# KiCad board PSEC5_Ctrl_Board.kicad_pcb (continued)
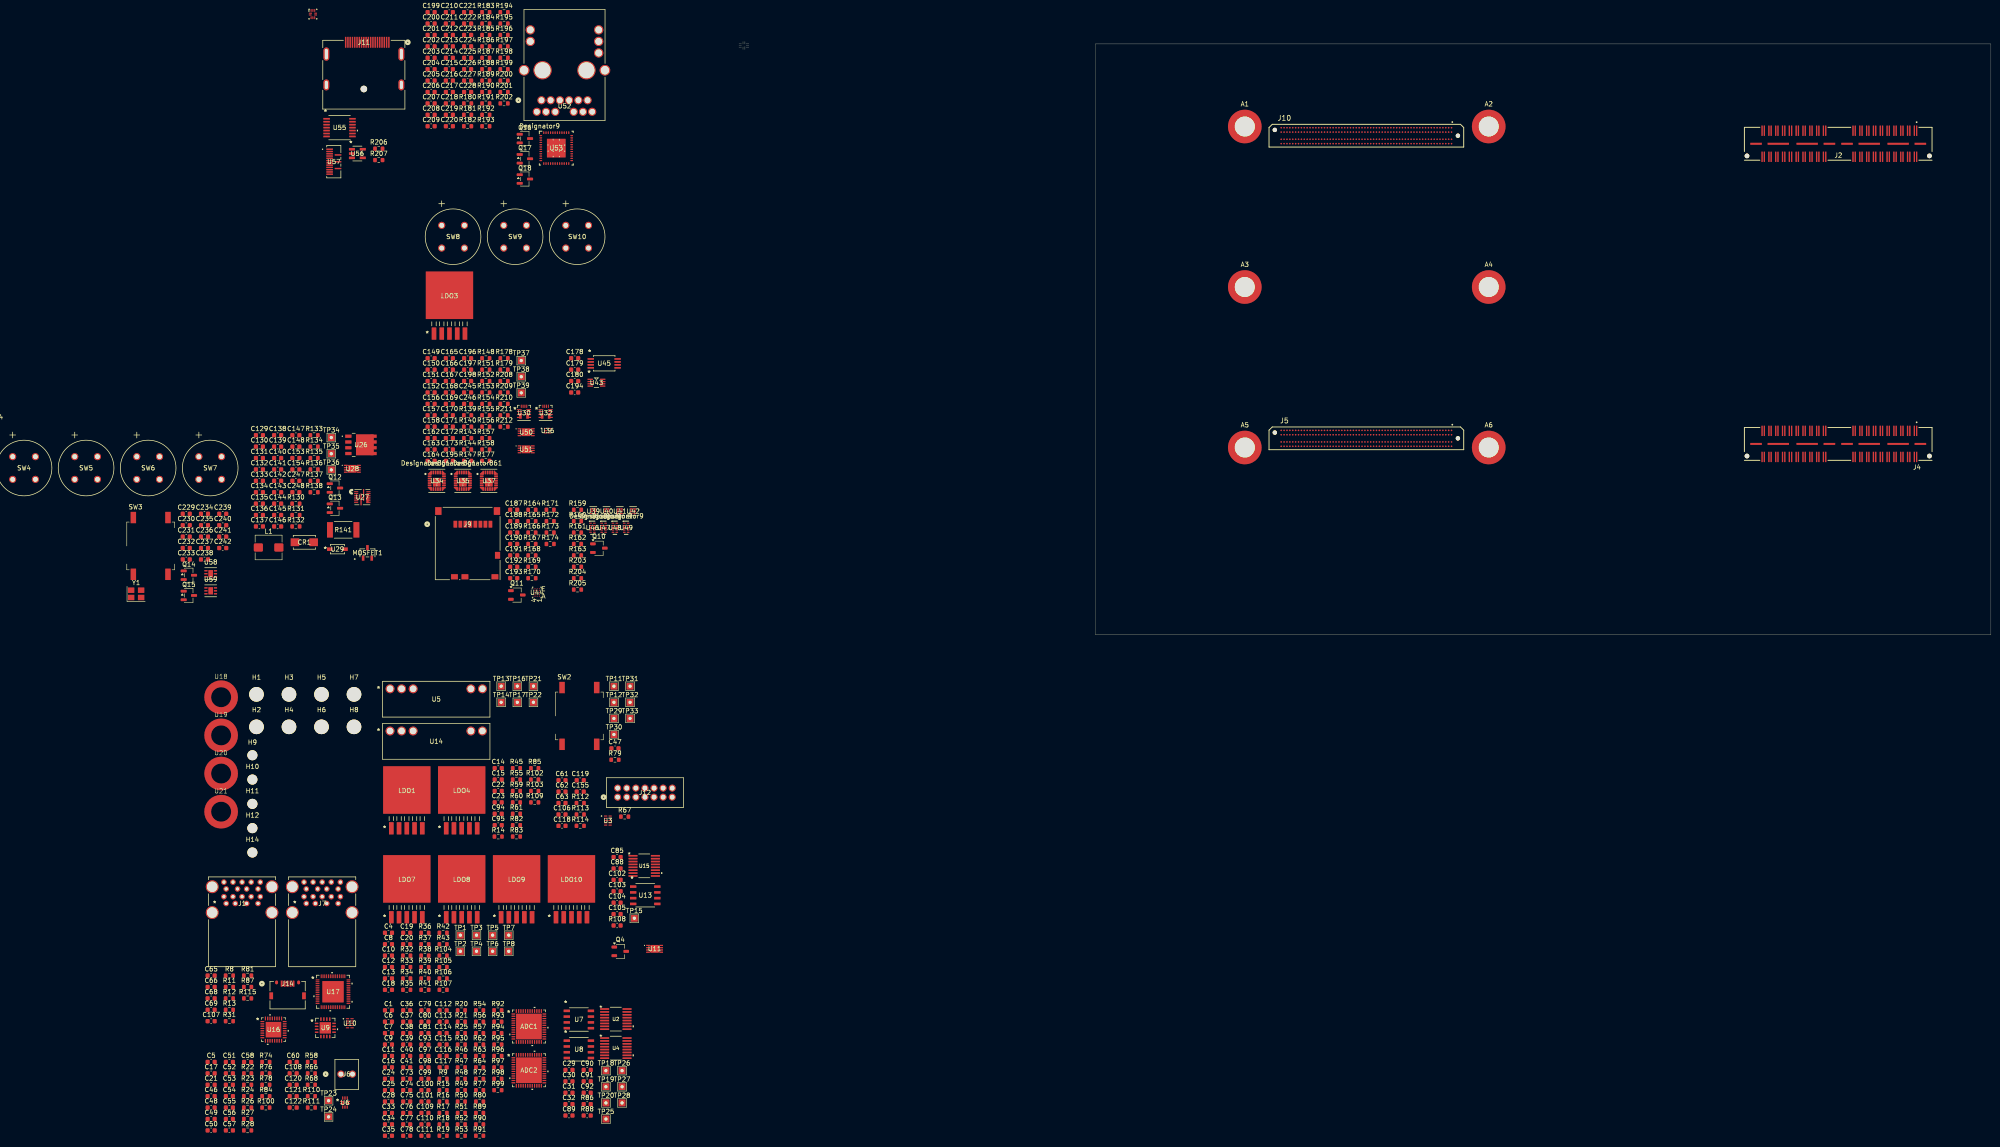
[diagram p0: board, top side]
## Footprints (pads in the part's own frame, mm; a bottom-side part is the same pattern mirrored in y, then rotated) (continued)
SOD-123_ONS
  rect 1.219x0.762 smd: 1(-1.676,0) 2(1.676,0)
SOIC8_NARROW_SN_MCH
  rect 1.397x0.559 smd: 1(-2.654,1.905) 2(-2.654,0.635) 3(-2.654,-0.635) 4(-2.654,-1.905) 5(2.654,-1.905) 6(2.654,-0.635) 7(2.654,0.635) 8(2.654,1.905)
SOT23-5L_STM
  rect 1.321x0.559 smd: 1(-1.194,0.95) 2(-1.194,0) 3(-1.194,-0.95) 4(1.194,-0.95) 5(1.194,0.95)
SOT23_527AG_ONS
  rect 0.559x1.143 smd: 1(-0.95,-1.143) 2(0.95,-1.143) 3(0,1.143)
SOT-23-3
  rrect 1.325x0.6 smd: 1(-1.137,0.95) 2(-1.137,-0.95) 3(1.137,0)
SSOP-16_GN
  rect 1.981x0.356 smd: 1(-2.464,2.223) 2(-2.464,1.587) 3(-2.464,0.953) 4(-2.464,0.318) 5(-2.464,-0.318) 6(-2.464,-0.953) 7(-2.464,-1.587) 8(-2.464,-2.223) 9(2.464,-2.223) 10(2.464,-1.587) 11(2.464,-0.953) 12(2.464,-0.318) 13(2.464,0.318) 14(2.464,0.953) 15(2.464,1.587) 16(2.464,2.223)
SW_MEC_5GSH9
  rect 1.2x2.5 smd: 1(-3.81,6.25) 2(-3.81,-6.25) 3(3.81,6.25) 4(3.81,-6.25)
TestPoint_THTPad_1.5x1.5mm_Drill0.7mm
  rect 1.5x1.5 hole 0.7: 1(0,0)
TS5B
  rect 1.016x2.692 smd: 1(-3.404,-8.28) 2(-1.702,-8.28) 3(0,-8.28) 4(1.702,-8.28) 5(3.404,-8.28)
  rect 10.414x10.465 smd: 6(0,0.152)
TSOT-23
  rrect 1.22x0.65 smd: 1(-1.31,0.95) 2(-1.31,-0.95) 3(1.31,0)
TSSOP8_4P5X3P1X0P65_STM
  rect 1.41x0.356 smd: 1(-2.953,0.975) 2(-2.953,0.325) 3(-2.953,-0.325) 4(-2.953,-0.975) 5(2.953,-0.975) 6(2.953,-0.325) 7(2.953,0.325) 8(2.953,0.975)
TSSOP14_4P4X5_ONS
  rect 1.422x0.356 smd: 1(-2.845,1.95) 2(-2.845,1.3) 3(-2.845,0.65) 4(-2.845,0) 5(-2.845,-0.65) 6(-2.845,-1.3) 7(-2.845,-1.95) 8(2.845,-1.95) 9(2.845,-1.3) 10(2.845,-0.65) 11(2.845,0) 12(2.845,0.65) 13(2.845,1.3) 14(2.845,1.95)
U_PUSB3FR4Z_NEX
  rect 0.711x0.203 smd: 1(-0.495,1) 2(-0.495,0.5) 3(-0.495,0) 4(-0.495,-0.5) 5(-0.495,-1) 6(0.495,-1) 7(0.495,-0.5) 8(0.495,0) 9(0.495,0.5) 10(0.495,1)
VQFN56_2G_MCH
  rect 0.813x0.203 smd: 1(-3.404,2.6) 2(-3.404,2.2) 3(-3.404,1.8) 4(-3.404,1.4) 5(-3.404,1) 6(-3.404,0.6) 7(-3.404,0.2) 8(-3.404,-0.2) 9(-3.404,-0.6) 10(-3.404,-1) 11(-3.404,-1.4) 12(-3.404,-1.8) 13(-3.404,-2.2) 14(-3.404,-2.6) 29(3.404,-2.6) 30(3.404,-2.2) 31(3.404,-1.8) 32(3.404,-1.4) 33(3.404,-1) 34(3.404,-0.6) 35(3.404,-0.2) 36(3.404,0.2) 37(3.404,0.6) 38(3.404,1) 39(3.404,1.4) 40(3.404,1.8) 41(3.404,2.2) 42(3.404,2.6)
  rect 0.203x0.813 smd: 15(-2.6,-3.404) 16(-2.2,-3.404) 17(-1.8,-3.404) 18(-1.4,-3.404) 19(-1,-3.404) 20(-0.6,-3.404) 21(-0.2,-3.404) 22(0.2,-3.404) 23(0.6,-3.404) 24(1,-3.404) 25(1.4,-3.404) 26(1.8,-3.404) 27(2.2,-3.404) 28(2.6,-3.404) 43(2.6,3.404) 44(2.2,3.404) 45(1.8,3.404) 46(1.4,3.404) 47(1,3.404) 48(0.6,3.404) 49(0.2,3.404) 50(-0.2,3.404) 51(-0.6,3.404) 52(-1,3.404) 53(-1.4,3.404) 54(-1.8,3.404) 55(-2.2,3.404) 56(-2.6,3.404)
  rect 4.699x4.699 smd: 57(0,0)
ZX62D-B-5P830_HIR
  rect 0.406x1.346 smd: 1(-1.3,2.525) 2(-0.65,2.525) 3(0,2.525) 4(0.65,2.525) 5(1.3,2.525)
  oval 0.65x0.85 smd: 6(-2.425,2.799) 7(2.425,2.799)
  rect 0.813x1.499 smd: 8(-3.6,-0.15) 9(3.6,-0.15)

## Nets
1V2_DUT: C19.1 J4.77 J4.78 J4.79 J4.80 LDO9.4 R42.1 TP8.1
1V8_Banks: J5.A44 J5.B42 J5.C44 J5.D42 J5.D59 J5.D60
1V8_DUT: C20.1 J4.65 J4.66 J4.67 J4.68 LDO10.4 R39.1 TP6.1
1V8_PERI: ADC1.1 ADC1.2 ADC1.5 ADC1.6 ADC1.9 ADC1.10 ADC1.12 ADC1.25 ADC1.27 ADC1.32 ADC1.35 ADC1.36 ADC1.39 ADC1.45 ADC1.46 ADC2.1 ADC2.2 ADC2.5 ADC2.6 ADC2.9 ADC2.10 ADC2.12 ADC2.25 ADC2.27 ADC2.32 ADC2.35 ADC2.36 ADC2.39 ADC2.45 ADC2.46 C22.1 C24.1 C41.1 C99.1 C100.1 C101.1 C109.1 C110.1 C111.1 C112.1 C113.1 C114.1 C115.1 LDO1.4 R60.1 TP14.1
2V5_DUT: C18.1 J4.61 J4.62 J4.63 J4.64 LDO8.4 R37.1 TP4.1
2V5_IO: J5.B59 J5.B60
2V5_PERI: C23.1 C91.1 C92.1 C105.1 LDO3.4 R45.1 TP16.1 U2.16 U4.16 U15.16
3V3_DUT: C4.1 J4.73 J4.74 J4.75 J4.76 LDO7.4 R34.1 TP2.1
3V3_PERI: C29.1 C31.1 C95.1 C102.1 LDO4.4 R102.1 TP21.1 U7.1 U7.3 U8.1 U8.3 U13.1 U13.3
5V0_IN: C138.2 C139.2 C140.2 C141.2 C142.2 C143.1 C149.2 C152.2 C156.2 C162.2 C165.2 C171.2 C198.2 L1.2 R133.1 R141.1 R156.1 R163.1 R178.1 R211.1 R212.1 TP34.1 U11.8 U16.21 U28.5 U28.8 U30.7 U32.7 U34.3 U34.21 U34.22 U35.3 U35.21 U35.22 U36.5 U37.3 U37.21 U37.22
5V0_SOM: C153.2 C154.2 C247.2 C248.2 J10.A59 J10.A60 J10.B60 J10.C59 J10.C60 J10.D60 R141.2 TP36.1
12V_IN: C129.1 C131.1 C132.1 C133.1 C148.1 R110.2 TP24.1 U5.4 U14.4 U26.5 U26.6 U26.7 U26.8 U27.8 U29.1
GND: A1.1 A2.1 A3.1 A4.1 A5.1 A6.1 ADC1.11 ADC1.26 ADC1.30 ADC1.31 ADC1.41 ADC1.49 ADC2.11 ADC2.26 ADC2.30 ADC2.31 ADC2.41 ADC2.49 C1.2 C4.2 C5.2 C6.2 C7.2 C9.2 C11.2 C16.2 C17.2 C18.2 C19.2 C20.2 C21.2 C22.2 C23.2 C24.2 C25.2 C28.2 C29.2 C30.2 C31.2 C32.2 C33.2 C34.2 C37.2 C38.2 C41.2 C46.2 C47.2 C48.2 C51.1 C52.1 C53.1 C54.1 C57.2 C58.2 C60.2 C61.2 C62.2 C63.2 C65.2 C66.2 C68.2 C69.2 C73.2 C74.2 C75.2 C76.2 C77.2 C78.2 C79.2 C80.2 C81.2 C85.2 C88.2 C89.2 C90.2 C91.2 C92.2 C93.2 C95.2 C97.2 C98.2 C99.2 C100.2 C101.2 C102.2 C103.2 C104.2 C105.2 C106.2 C107.2 C108.2 C109.2 C110.2 C111.2 C112.2 C113.2 C114.2 C115.2 C116.2 C117.2 C118.2 C119.2 C120.2 C121.2 C122.2 C129.2 C130.2 C131.2 C132.2 C133.2 C134.2 C136.2 C139.1 C140.1 C141.1 C142.1 C143.2 C145.2 C146.2 C147.2 C149.1 C150.1 C151.1 C152.1 C153.1 C154.1 C155.2 C156.1 C157.1 C158.1 C162.1 C163.1 C164.1 C165.1 C166.1 C167.1 C168.1 C170.1 C171.1 C172.1 C173.1 C178.2 C179.2 C180.2 C187.2 C188.2 C189.2 C192.2 C193.2 C194.2 C195.1 C197.1 C198.1 C199.2 C200.2 C201.2 C202.2 C203.2 C204.2 C205.2 C206.2 C207.2 C208.2 C209.2 C210.2 C211.2 C212.2 C213.2 C214.2 C215.2 C216.2 C217.2 C218.2 C219.2 C220.2 C221.2 C222.2 C224.1 C225.1 C226.1 C227.1 C228.1 C229.2 C230.2 C231.2 C232.2 C233.2 C234.2 C235.2 C236.2 C237.2 C238.2 C239.2 C240.2 C241.2 C242.2 C246.1 C247.1 C248.1 CR1.2 J1.4 J1.7 J1.13 J1.16 J2.G1 J2.G2 J2.G3 J2.G4 J2.G5 J2.G6 J2.G7 J2.G8 J4.G1 J4.G2 J4.G3 J4.G4 J4.G5 J4.G6 J4.G7 J4.G8 J5.A01 J5.A02 J5.A05 J5.A06 J5.A09 J5.A10 J5.A13 J5.A16 J5.A19 J5.A22 J5.A25 J5.A28 J5.A31 J5.A34 J5.A37 J5.A40 J5.A43 J5.A45 J5.A49 J5.A53 J5.A57 J5.B03 J5.B04 J5.B07 J5.B08 J5.B11 J5.B14 J5.B17 J5.B20 J5.B23 J5.B26 J5.B29 J5.B32 J5.B35 J5.B38 J5.B41 J5.B43 J5.B47 J5.B51 J5.B55 J5.C01 J5.C02 J5.C05 J5.C06 J5.C09 J5.C10 J5.C13 J5.C16 J5.C19 J5.C22 J5.C25 J5.C28 J5.C31 J5.C34 J5.C37 J5.C40 J5.C43 J5.C45 J5.C49 J5.C53 J5.C57 J5.D03 J5.D04 J5.D07 J5.D08 J5.D11 J5.D14 J5.D17 J5.D20 J5.D23 J5.D26 J5.D29 J5.D32 J5.D35 J5.D38 J5.D41 J5.D43 J5.D47 J5.D51 J5.D55 J7.4 J7.7 J7.13 J7.16 J9.6 J9.10 J10.A01 J10.A02 J10.A05 J10.A08 J10.A11 J10.A14 J10.A18 J10.A21 J10.A26 J10.A33 J10.A37 J10.A41 J10.A45 J10.A46 J10.A49 J10.A50 J10.A53 J10.A54 J10.A57 J10.A58 J10.B03 J10.B06 J10.B09 J10.B12 J10.B15 J10.B19 J10.B23 J10.B27 J10.B31 J10.B35 J10.B39 J10.B43 J10.B47 J10.B48 J10.B51 J10.B52 J10.B55 J10.B56 J10.B59 J10.C01 J10.C02 J10.C05 J10.C08 J10.C11 J10.C14 J10.C17 J10.C21 J10.C25 J10.C29 J10.C33 J10.C37 J10.C41 J10.C46 J10.C49 J10.C50 J10.C53 J10.C54 J10.C57 J10.C58 J10.D03 J10.D06 J10.D09 J10.D12 J10.D15 J10.D19 J10.D23 J10.D27 J10.D31 J10.D35 J10.D39 J10.D43 J10.D47 J10.D48 J10.D51 J10.D52 J10.D55 J10.D56 J10.D59 J11.2 J11.5 J11.8 J11.11 J11.16 J12.1 J12.3 J12.5 J12.7 J12.9 J12.11 J12.13 J14.5 LDO1.3 LDO1.6 LDO3.3 LDO3.6 LDO4.3 LDO4.6 LDO7.3 LDO7.6 LDO8.3 LDO8.6 LDO9.3 LDO9.6 LDO10.3 LDO10.6 MOSFET1.2 Q4.3 Q13.2 Q14.2 Q15.2 Q16.2 Q17.2 Q18.2 R8.2 R11.2 R12.2 R13.2 R24.2 R28.1 R33.2 R36.2 R40.2 R43.2 R56.2 R57.2 R61.2 R66.1 R68.1 R78.1 R79.1 R83.2 R100.1 R109.2 R131.2 R134.2 R136.2 R138.2 R140.2 R144.2 R148.2 R152.2 R154.2 R158.2 R162.2 R177.2 R184.2 R193.2 R194.2 R195.2 R196.2 R197.2 R198.2 R199.2 R200.2 R203.2 R206.2 R207.2 R209.2 SW2.1 SW2.2 SW3.1 SW3.2 SW4.3 SW5.3 SW6.3 SW7.3 SW8.3 SW9.3 SW10.3 TP1.1 TP3.1 TP5.1 TP7.1 TP13.1 TP17.1 TP22.1 U1.1 U1.2 U1.3 U2.1 U3.3 U3.8 U4.1 U5.3 U6.3 U7.2 U7.4 U7.5 U7.6 U8.2 U8.4 U8.5 U8.6 U9.3 U9.13 U9.17 U10.3 U10.8 U11.6 U11.9 U13.2 U13.4 U13.5 U13.6 U14.3 U15.1 U16.23 U16.33 U17.57 U27.5 U27.9 U27.10 U27.11 U27.12 U27.13 U28.6 U28.9 U30.1 U30.2 U30.11 U32.1 U32.2 U32.11 U34.4 U34.5 U34.6 U34.8 U34.9 U34.10 U34.11 U34.18 U34.19 U34.20 U34.23 U35.4 U35.5 U35.6 U35.8 U35.9 U35.10 U35.11 U35.18 U35.19 U35.20 U35.23 U36.2 U37.4 U37.5 U37.6 U37.8 U37.9 U37.10 U37.11 U37.18 U37.19 U37.20 U37.23 U39.4 U40.4 U41.4 U42.4 U43.1 U44.C2 U44.C3 U45.2 U45.3 U45.4 U46.3 U46.8 U47.3 U47.8 U48.3 U48.8 U49.3 U49.8 U50.6 U50.9 U51.6 U51.9 U53.49 U54.1 U54.2 U54.3 U55.7 U56.2 U57.2 U57.5 U57.8 U57.11 U58.5 U58.7 U59.5 U59.7 Y1.2 Y1.4
VCCOEN_PL_M2C: J10.A20 U11.5 U30.9 U32.9
VCCOEN_PS_M2C: J10.A19 U34.1 U35.1 U37.1
VDD_BUCK_2V7: C12.2 C13.1 C14.2 LDO1.2 LDO9.2 LDO10.2 R38.1 R41.1 R59.1 U5.1
VDD_BUCK_4V: C8.2 C10.2 C15.2 C94.2 LDO3.2 LDO4.2 LDO7.2 LDO8.2 R14.1 R32.1 R35.1 R85.1 U14.1
/pl_pwr/ETH_REG_EN: R179.2 U36.6 U50.5 U51.5
/SOM240_1(1.5)/ADC1_SCLK/DTP: ADC1.28 J10.B05 R19.2
/SOM240_1(1.5)/ADC1_SDIO/ODM: ADC1.29 J10.B04 R18.2
/SOM240_1(1.5)/ADC2_SCLK/DTP: ADC2.28 J10.B11 R20.2
/SOM240_1(1.5)/ADC2_SDIO/ODM: ADC2.29 J10.B10 R21.2
/SOM240_1(1.5)/ADC_CLK1+: ADC1.8 J10.C04
/SOM240_1(1.5)/ADC_CLK1-: ADC1.7 J10.C03
/SOM240_1(1.5)/ADC_CLK2+: ADC2.8 J10.C09
/SOM240_1(1.5)/ADC_CLK2-: ADC2.7 J10.C10
/SOM240_1(1.5)/ADC_DOUT1+: ADC1.20 J10.D14
/SOM240_1(1.5)/ADC_DOUT1-: ADC1.19 J10.D13
/SOM240_1(1.5)/ADC_DOUT2+: ADC1.18 J10.D11
/SOM240_1(1.5)/ADC_DOUT2-: ADC1.17 J10.D10
/SOM240_1(1.5)/ADC_DOUT3+: ADC1.16 J10.D08
/SOM240_1(1.5)/ADC_DOUT3-: ADC1.15 J10.D07
/SOM240_1(1.5)/ADC_DOUT4+: ADC1.14 J10.D05
/SOM240_1(1.5)/ADC_DOUT4-: ADC1.13 J10.D04
/SOM240_1(1.5)/ADC_DOUT5+: ADC2.20 J10.A03
/SOM240_1(1.5)/ADC_DOUT5-: ADC2.19 J10.A04
/SOM240_1(1.5)/ADC_DOUT6+: ADC2.18 J10.A06
/SOM240_1(1.5)/ADC_DOUT6-: ADC2.17 J10.A07
/SOM240_1(1.5)/ADC_DOUT7+: ADC2.16 J10.A09
/SOM240_1(1.5)/ADC_DOUT7-: ADC2.15 J10.A10
/SOM240_1(1.5)/ADC_DOUT8+: ADC2.14 J10.A12
/SOM240_1(1.5)/ADC_DOUT8-: ADC2.13 J10.A13
/SOM240_1(1.5)/CLR_DAC*: J10.A15 R86.1 R88.1 U2.11 U4.11
/SOM240_1(1.5)/CS/LD_DAC1*: J10.B16 U2.7
/SOM240_1(1.5)/CS/LD_DAC2*: J10.C18 U4.7
/SOM240_1(1.5)/DataClk1+: ADC1.24 J10.C13
/SOM240_1(1.5)/DataClk1-: ADC1.23 J10.C12
/SOM240_1(1.5)/DataClk2+: ADC2.24 J10.B01
/SOM240_1(1.5)/DataClk2-: ADC2.23 J10.B02
/SOM240_1(1.5)/DisplayPort/DP_AUX_C_N: C50.2 J11.17 R84.1 U57.1
/SOM240_1(1.5)/DisplayPort/DP_AUX_C_P: C49.2 J11.15 R78.2 U57.3
/SOM240_1(1.5)/DisplayPort/DP_HPD_R: C58.1 J11.18 R27.2 R28.2 U57.7
/SOM240_1(1.5)/DisplayPort/DP_LN0_C_N: C56.1 J11.3 U57.10
/SOM240_1(1.5)/DisplayPort/DP_LN0_C_P: C55.1 J11.1 U57.12
/SOM240_1(1.5)/ethernet1/GEM_GPIO0: R186.2 R194.1 U53.39
/SOM240_1(1.5)/ethernet1/GEM_GPIO1: R185.2 R193.1 U53.40
/SOM240_1(1.5)/ethernet1/GEM_LED0: Q18.1 R189.2 R197.1 U53.47
/SOM240_1(1.5)/ethernet1/GEM_LED0_CA: Q18.3 U52.15
/SOM240_1(1.5)/ethernet1/GEM_LED1: Q17.1 R188.2 R196.1 U53.46
/SOM240_1(1.5)/ethernet1/GEM_LED1_CA: Q17.3 U52.17
/SOM240_1(1.5)/ethernet1/GEM_LED2: Q16.1 R187.2 R195.1 U53.45
/SOM240_1(1.5)/ethernet1/GEM_LED2_CA: Q16.3 U52.13
/SOM240_1(1.5)/ethernet1/GEM_TD_A_N: U52.10 U53.2
/SOM240_1(1.5)/ethernet1/GEM_TD_A_P: U52.11 U53.1
/SOM240_1(1.5)/ethernet1/GEM_TD_B_N: U52.5 U53.5
/SOM240_1(1.5)/ethernet1/GEM_TD_B_P: U52.4 U53.4
/SOM240_1(1.5)/ethernet1/GEM_TD_C_N: U52.2 U53.8
/SOM240_1(1.5)/ethernet1/GEM_TD_C_P: U52.3 U53.7
/SOM240_1(1.5)/ethernet1/GEM_TD_D_N: U52.9 U53.11
/SOM240_1(1.5)/ethernet1/GEM_TD_D_P: U52.8 U53.10
/SOM240_1(1.5)/FrameClk1+: ADC1.22 J10.C07
/SOM240_1(1.5)/FrameClk1-: ADC1.21 J10.C06
/SOM240_1(1.5)/FrameClk2+: ADC2.22 J10.B07
/SOM240_1(1.5)/FrameClk2-: ADC2.21 J10.B08
/SOM240_1(1.5)/FWUEN_B: C47.1 J10.C28 SW2.3 SW2.4
/SOM240_1(1.5)/GEM3_MDC: J10.D44 U53.16
/SOM240_1(1.5)/GEM3_MDIO: J10.D45 R202.2 U53.17
/SOM240_1(1.5)/GTR_DP1_M2C_N: C55.2 J10.A48
/SOM240_1(1.5)/GTR_DP1_M2C_P: C56.2 J10.A47
/SOM240_1(1.5)/JTAG_CLK: J10.A25 J12.6 U3.2
/SOM240_1(1.5)/JTAG_TDI: J10.A24 J12.10 U3.5
/SOM240_1(1.5)/JTAG_TDO: J10.A23 J12.8 U3.4
/SOM240_1(1.5)/JTAG_TMS: J10.A22 J12.4 U3.1
/SOM240_1(1.5)/MIO27: J10.D29 U1.8
/SOM240_1(1.5)/MIO28: J10.D30 U54.9
/SOM240_1(1.5)/MIO29: J10.C30 U54.8
/SOM240_1(1.5)/MIO30: J10.C31 U1.9
/SOM240_1(1.5)/MODE0: J10.A27
/SOM240_1(1.5)/MODE1: J10.A28
/SOM240_1(1.5)/MODE2: J10.A29
/SOM240_1(1.5)/MODE3: J10.A30
/SOM240_1(1.5)/Peripherals_Ctrl1/READOUT1+: ADC1.33 R77.2
/SOM240_1(1.5)/Peripherals_Ctrl1/READOUT1-: ADC1.34 R80.2
/SOM240_1(1.5)/Peripherals_Ctrl1/READOUT2+: ADC1.38 R89.2
/SOM240_1(1.5)/Peripherals_Ctrl1/READOUT2-: ADC1.37 R90.2
/SOM240_1(1.5)/Peripherals_Ctrl1/READOUT3+: ADC1.47 R95.2
/SOM240_1(1.5)/Peripherals_Ctrl1/READOUT3-: ADC1.48 R91.2
/SOM240_1(1.5)/Peripherals_Ctrl1/READOUT4+: ADC1.4 R92.2
/SOM240_1(1.5)/Peripherals_Ctrl1/READOUT4-: ADC1.3 R93.2
/SOM240_1(1.5)/Peripherals_Ctrl1/READOUT5+: ADC2.33 R94.2
/SOM240_1(1.5)/Peripherals_Ctrl1/READOUT5-: ADC2.34 R96.2
/SOM240_1(1.5)/Peripherals_Ctrl1/READOUT6+: ADC2.38 R97.2
/SOM240_1(1.5)/Peripherals_Ctrl1/READOUT6-: ADC2.37 R62.2
/SOM240_1(1.5)/Peripherals_Ctrl1/READOUT7+: ADC2.47 R63.2
/SOM240_1(1.5)/Peripherals_Ctrl1/READOUT7-: ADC2.48 R64.2
/SOM240_1(1.5)/Peripherals_Ctrl1/READOUT8+: ADC2.4 R98.2
/SOM240_1(1.5)/Peripherals_Ctrl1/READOUT8-: ADC2.3 R99.2
/SOM240_1(1.5)/RGMII_RX_CLK: J10.B44 U53.32
/SOM240_1(1.5)/RGMII_RX_CTL: J10.A44 R190.2 R198.1 U53.38
/SOM240_1(1.5)/RGMII_RX_D0: J10.B45 R192.2 R200.1 U53.33
/SOM240_1(1.5)/RGMII_RX_D1: J10.B46 U53.34
/SOM240_1(1.5)/RGMII_RX_D2: J10.A42 R191.2 R199.1 U53.35
/SOM240_1(1.5)/RGMII_RX_D3: J10.A43 U53.36
/SOM240_1(1.5)/RGMII_TX_CLK: J10.D40 U53.29
/SOM240_1(1.5)/RGMII_TX_CTL: J10.C44 U53.37
/SOM240_1(1.5)/RGMII_TX_D0: J10.D41 U53.28
/SOM240_1(1.5)/RGMII_TX_D1: J10.D42 U53.27
/SOM240_1(1.5)/RGMII_TX_D2: J10.C42 U53.26
/SOM240_1(1.5)/RGMII_TX_D3: J10.C43 U53.25
/SOM240_1(1.5)/SCK_DAC1: J10.B17 U2.8
/SOM240_1(1.5)/SCK_DAC2: J10.A17 U4.8
/SOM240_1(1.5)/SD_CLK: J10.B37 R170.1
/SOM240_1(1.5)/SD_CMD: J10.B36 R169.1
/SOM240_1(1.5)/SD_DAT0: J10.D34 R171.1
/SOM240_1(1.5)/SD_DAT1: J10.C34 R172.1
/SOM240_1(1.5)/SD_DAT2: J10.C35 R173.1
/SOM240_1(1.5)/SD_DAT3: J10.C36 R174.1
/SOM240_1(1.5)/SD_DETECT: J9.9 J10.D33 R164.1 U44.B2
/SOM240_1(1.5)/SD_PWR_EN: J10.A36
/SOM240_1(1.5)/SD_SEL: J10.B33 U44.E3
/SOM240_1(1.5)/SDI_DAC_BIAS: J10.C19 U4.9
/SOM240_1(1.5)/SDI_DAC_THRES: J10.A16 U2.9
/SOM240_1(1.5)/SHUTDOWN: J10.C32 R79.2 TP11.1
/SOM240_1(1.5)/UART_CTS: U9.4
/SOM240_1(1.5)/UART_RTS: U9.16
/SOM240_1(1.5)/UART_RXD: J10.B29 U9.2
/SOM240_1(1.5)/UART_TXD: J10.B30 U9.15
/SOM240_1(1.5)/USB0_CLK: J10.D36 U16.1
/SOM240_1(1.5)/USB0_DATA0: J10.C39 U16.3
/SOM240_1(1.5)/USB0_DATA1: J10.C40 U16.4
/SOM240_1(1.5)/USB0_DATA2: J10.D38 U16.5
/SOM240_1(1.5)/USB0_DATA3: J10.B41 U16.6
/SOM240_1(1.5)/USB0_DATA4: J10.B42 U16.7
/SOM240_1(1.5)/USB0_DATA5: J10.A38 U16.9
/SOM240_1(1.5)/USB0_DATA6: J10.A39 U16.10
/SOM240_1(1.5)/USB0_DATA7: J10.A40 U16.13
/SOM240_1(1.5)/USB0_DIR: J10.D37 U16.31
/SOM240_1(1.5)/USB0_NXT: J10.C38 U16.2
/SOM240_1(1.5)/USB0_STP: J10.B40 U16.29
/SOM240_1(1.5)/USB-UART1/USB3320_D_N: U16.19 U17.46
/SOM240_1(1.5)/USB-UART1/USB3320_D_P: U16.18 U17.45
/SOM240_1(1.5)/USB-UART1/USB_C_SSTX1+: J1.18 U48.1 U48.10
/SOM240_1(1.5)/USB-UART1/USB_C_SSTX1-: J1.17 U48.2 U48.9
/SOM240_1(1.5)/USB-UART1/USB_C_SSTX2+: J1.9 U48.4 U48.7
/SOM240_1(1.5)/USB-UART1/USB_C_SSTX2-: J1.8 U48.5 U48.6
/SOM240_1(1.5)/USB-UART1/USB_C_SSTX3+: J7.18 U46.1 U46.10
/SOM240_1(1.5)/USB-UART1/USB_C_SSTX3-: J7.17 U46.2 U46.9
/SOM240_1(1.5)/USB-UART1/USB_C_SSTX4+: J7.9 U46.4 U46.7
/SOM240_1(1.5)/USB-UART1/USB_C_SSTX4-: J7.8 U46.5 U46.6
/SOM240_1(1.5)/USB-UART1/USB_D1+: J1.12 U17.1 U39.1
/SOM240_1(1.5)/USB-UART1/USB_D1-: J1.11 U17.2 U39.2
/SOM240_1(1.5)/USB-UART1/USB_D2+: J1.3 U17.8 U40.1
/SOM240_1(1.5)/USB-UART1/USB_D2-: J1.2 U17.9 U40.2
/SOM240_1(1.5)/USB-UART1/USB_D3+: J7.12 U17.17 U41.1
/SOM240_1(1.5)/USB-UART1/USB_D3-: J7.11 U17.18 U41.2
/SOM240_1(1.5)/USB-UART1/USB_D4+: J7.3 U17.24 U42.1
/SOM240_1(1.5)/USB-UART1/USB_D4-: J7.2 U17.25 U42.2
/SOM240_1(1.5)/USB-UART1/USB_PRT_CTRL1: U17.36
/SOM240_1(1.5)/USB-UART1/USB_PRT_CTRL2: U17.35
/SOM240_1(1.5)/USB-UART1/USB_PRT_CTRL3: U17.34
/SOM240_1(1.5)/USB-UART1/USB_PRT_CTRL4: U17.32
/SOM240_1(1.5)/USB-UART1/USB_RESET#: R81.1 U9.9
/SOM240_1(1.5)/USB-UART1/USB_SSRX1+: J1.15 U17.6 U49.1 U49.10
/SOM240_1(1.5)/USB-UART1/USB_SSRX1-: J1.14 U17.7 U49.2 U49.9
/SOM240_1(1.5)/USB-UART1/USB_SSRX2+: J1.6 U17.13 U49.4 U49.7
/SOM240_1(1.5)/USB-UART1/USB_SSRX2-: J1.5 U17.14 U49.5 U49.6
/SOM240_1(1.5)/USB-UART1/USB_SSRX3+: J7.15 U17.22 U47.1 U47.10
/SOM240_1(1.5)/USB-UART1/USB_SSRX3-: J7.14 U17.23 U47.2 U47.9
/SOM240_1(1.5)/USB-UART1/USB_SSRX4+: J7.6 U17.29 U47.4 U47.7
/SOM240_1(1.5)/USB-UART1/USB_SSRX4-: J7.5 U17.30 U47.5 U47.6
/SOM240_1(1.5)/USB-UART1/USB_SSTX1+: U17.3
/SOM240_1(1.5)/USB-UART1/USB_SSTX1-: U17.4
/SOM240_1(1.5)/USB-UART1/USB_SSTX2+: U17.10
/SOM240_1(1.5)/USB-UART1/USB_SSTX2-: U17.11
/SOM240_1(1.5)/USB-UART1/USB_SSTX3+: U17.19
/SOM240_1(1.5)/USB-UART1/USB_SSTX3-: U17.20
/SOM240_1(1.5)/USB-UART1/USB_SSTX4+: U17.26
/SOM240_1(1.5)/USB-UART1/USB_SSTX4-: U17.27
/SOM240_1(1.5)/USB-UART1/USB_VBUS1: J1.10 U39.6
/SOM240_1(1.5)/USB-UART1/USB_VBUS2: J1.1 U40.6
/SOM240_1(1.5)/USB-UART1/USB_VBUS3: J7.10 U41.6
/SOM240_1(1.5)/USB-UART1/USB_VBUS4: J7.1 U42.6
/SOM240_2(1.5)/CLR_DAC*_ped: J5.A48 R108.1 U15.11
/SOM240_2(1.5)/CS/LD_DAC_ped*: J5.A46 U15.7
/SOM240_2(1.5)/SCK_DAC_ped: J5.B44 U15.8
/SOM240_2(1.5)/SDI_DAC_ped: J5.A47 U15.9
ADC_CNV: J4.31 J5.D56
ADC_SCLK: J4.23 J5.D53
ADC_SDI: J4.21 J5.D52
ADC_SDO: J4.27 J5.D54
CC_PL_PGOOD: Q15.1 R211.2 TP38.1 U11.3 U30.8 U32.8
CC_PS_PGOOD: C63.1 Q14.1 R212.2 TP39.1 U34.2 U35.2 U36.4 U59.2
CP_IBIAS: J2.13 U4.15
CSB: J4.13
DAC_SCLK: J4.19 J5.A51
DAC_V_IN: J4.39 J5.A50
Disc_Thresh1: J2.21 TP18.1 U2.2
Disc_Thresh2: J2.25 U2.3
Disc_Thresh3: J2.29 U2.4
Disc_Thresh4: J2.33 U2.5
Disc_Thresh5: J2.37 U2.12
Disc_Thresh6: J2.69 U2.13
Disc_Thresh7: J2.73 U2.14
Disc_Thresh8: J2.77 U2.15
DISCBIAS: J2.09 TP25.1 U4.2
DIVIDER_IBIAS: J2.15 U4.14
DP_3V3: C52.2 C57.1 J11.20 U56.1 U57.6
ETH_1V0: C169.2 C170.2 C213.1 C214.1 C215.1 C216.1 C217.1 C218.1 C219.1 C220.1 C221.1 C222.1 R153.1 U50.1 U53.6 U53.24 U53.31 U53.42
ETH_2V5: C196.2 C197.2 C207.1 C208.1 C209.1 C210.1 C211.1 C212.1 R155.1 U51.1 U53.3 U53.9
ETH_PGOOD: R210.2 TP37.1 U50.3 U51.3
ETH_REF_CLK: C223.2
GTR_DP2_C2M_N: J10.B54
GTR_DP2_C2M_P: J10.B53
GTR_DP2_M2C_N: J10.D58
GTR_DP2_M2C_P: J10.D57
GTR_REFCLK0_C2M_N: J10.C48
GTR_REFCLK0_C2M_P: J10.C47
GTR_REFCLK1_C2M_N: J10.B50
GTR_REFCLK1_C2M_P: J10.B49
GTR_REFCLK2_C2M_N: J10.D54
GTR_REFCLK2_C2M_P: J10.D53
HDA20: J10.C24 Q13.1 R138.1
HPB00_CC_N: J4.08 J5.D24
HPB00_CC_P: J4.06 J5.D25
HPB01_N: J4.04 J5.D27
HPB01_P: J4.02 J5.D28
HPB04_N: J4.18 J5.D16
HPB04_P: J4.20 J5.D15
HPB17_N: J4.14 J5.D19
HPB17_P: J4.16 J5.D18
HPB19_N: J5.A27
HPB19_P: J5.A26
HPB_CLK0_N: J4.12 J5.D21
HPB_CLK0_P: J4.10 J5.D22
HPC00_CC_N: J4.32 J5.A15
HPC00_CC_P: J4.30 J5.A14
HPC01_N: J4.28 J5.A12
HPC01_P: J4.26 J5.A11
HPC02_N: J4.36 J5.A18
HPC02_P: J4.34 J5.A17
HPC04_N: J4.40 J5.A21
HPC04_P: J4.38 J5.A20
HPC09_N: J4.24 J5.D12
HPC09_P: J4.22 J5.D13
HPC14_N: J5.A36
HPC14_P: J5.A35
HPC15_CC_N: J5.A39
HPC15_CC_P: J5.A38
HPC19_N: J5.A33
HPC19_P: J5.A32
I2C_SCK: J10.C26 U43.3
I2C_SCK_LS: U43.6 U45.6
I2C_SDA: J10.C27 U43.4
I2C_SDA_LS: U43.5 U45.5
OscClkOut: J4.59 J5.B49
P5_ReadClk: J2.52 J10.C22
P5_rst: J2.20 J10.D17
PICO: J2.28 J10.D21
PL_1V2: C150.2 C151.2 R139.1 U30.5 U30.6 U30.12
PL_1V8: C88.1 C245.2 C246.2 J10.D01 J10.D02 R18.1 R19.1 R20.1 R21.1 R208.1 U11.1
PL_2V5: C85.1 C157.2 C158.2 J10.B13 J10.B14 R86.2 R88.2 R108.2 R143.1 U32.5 U32.6 U32.12
POCI: J2.26 J10.D22
PS_1V2: C163.2 C164.2 R147.1 U17.5 U17.12 U17.15 U17.21 U17.28 U17.33 U17.43 U17.49 U34.12 U34.13 U34.14 U34.15 U34.16
PS_1V8: C5.1 C21.1 C65.1 C166.2 C167.2 C178.1 C193.1 C199.1 C200.1 C201.1 C202.1 C203.1 C204.1 C205.1 C206.1 C241.1 C242.1 J12.2 Q10.2 Q11.2 R81.2 R151.1 R164.2 R180.1 R181.1 R182.1 R183.1 R185.1 R186.1 R187.1 R188.1 R189.1 R190.1 R191.1 R192.1 R201.1 R202.1 R204.1 U1.7 U1.10 U9.1 U16.8 U16.11 U16.14 U16.28 U16.30 U16.32 U35.12 U35.13 U35.14 U35.15 U35.16 U43.2 U44.A2 U53.19 U53.30 U53.41 U54.7 U54.10
PS_3V3: C17.1 C46.1 C48.1 C51.2 C53.2 C54.2 C66.1 C68.1 C168.2 C172.2 C173.2 C179.1 C190.1 C192.1 C194.1 C195.2 C233.1 C234.1 C235.1 C236.1 C237.1 C238.1 C239.1 C240.1 R26.1 R74.1 R76.1 R84.2 R115.2 R157.1 R159.1 R160.1 R161.1 R166.1 R168.1 R179.1 R205.1 R210.1 U1.6 U9.8 U9.10 U17.16 U17.31 U17.37 U17.44 U17.55 U37.12 U37.13 U37.14 U37.15 U37.16 U44.A3 U45.1 U45.7 U50.8 U51.8 U52.14 U52.16 U54.6 U55.14 U56.5 U57.13 U57.15
PS_3V3_PGOOD: R156.2 R178.2 U36.1 U36.3 U37.2
PS_POR: J10.C15 Q10.3 Q11.3 R180.2 R204.2 U16.27 U53.43 U59.6
PS_SRST: J10.C16 R67.2 U58.6
Psec5RefClk: J2.35 J10.D16
Psec5TriggerIn: J2.78 J10.D20
Psec5TriggerOut: J2.50 J10.D18
PWROFF_C2M_B: C60.1 J10.B26 Q12.3 TP30.1 U28.3
READBIAS1: J2.07 TP27.1 U4.4
READBIAS2: J2.05 TP28.1 U4.5
REFCLK: J4.15
SIGNAL1+: J2.06 R9.1
SIGNAL1-: J2.08 R15.1
SIGNAL2+: J2.14 R16.1
SIGNAL2-: J2.16 R17.1
SIGNAL3+: J2.22 R25.1
SIGNAL3-: J2.24 R30.1
SIGNAL4+: J2.30 R46.1
SIGNAL4-: J2.32 R47.1
SIGNAL5+: J2.46 R48.1
SIGNAL5-: J2.48 R49.1
SIGNAL6+: J2.54 R50.1
SIGNAL6-: J2.56 R51.1
SIGNAL7+: J2.62 R52.1
SIGNAL7-: J2.64 R53.1
SIGNAL8+: J2.70 R54.1
SIGNAL8-: J2.72 R72.1
SPIclk: J2.18 J10.C20
SYNC_N: J4.17 J5.A52
USB_HUB_CLK_IN: R115.1 R203.1 U17.54
USB_HUB_SMCLK: R160.2 U17.38
USB_HUB_SMDAT: R159.2 U17.39
USB_PHY_REFCLK: U16.26
UTIL_3V3: C62.1 C118.1 C119.1 C144.1 C145.1 C155.1 C229.1 C230.1 C231.1 C232.1 R112.1 R113.1 R114.1 R135.1 R137.1 TP35.1 U28.1 U58.1 U58.2 U59.1
V_ped1: J4.41 U15.2
V_ped2: J4.43 U15.3
V_ped3: J4.45 U15.4
V_ped4: J4.47 U15.5
V_ped5: J4.49 U15.12
V_ped6: J4.51 U15.13
V_ped7: J4.53 U15.14
V_ped8: J4.55 U15.15
WBUFBIAS: J2.11 TP26.1 U4.3
Net-(ADC1-RBIAS): ADC1.40 R57.1
Net-(ADC1-REFB): ADC1.43 C34.1 C35.2 C36.2
Net-(ADC1-REFT): ADC1.44 C33.1 C35.1 C36.1
Net-(ADC1-VREF): ADC1.42 C73.1 C75.1 C117.1
Net-(ADC2-RBIAS): ADC2.40 R56.1
Net-(ADC2-REFB): ADC2.43 C38.1 C39.2 C40.2
Net-(ADC2-REFT): ADC2.44 C37.1 C39.1 C40.1
Net-(ADC2-VREF): ADC2.42 C78.1 C79.1 C116.1
Net-(C1-Pad1): C1.1 R72.2 R99.1
Net-(C6-Pad1): C6.1 R54.2 R98.1
Net-(C7-Pad1): C7.1 R53.2 R64.1
Net-(C8-Pad1): C8.1 SW6.2
Net-(C9-Pad1): C9.1 R52.2 R63.1
Net-(C10-Pad1): C10.1 SW5.2
Net-(C11-Pad1): C11.1 R51.2 R62.1
Net-(C12-Pad1): C12.1 SW7.2
Net-(C13-Pad2): C13.2 SW4.2
Net-(C14-Pad1): C14.1 SW8.2
Net-(C15-Pad1): C15.1 SW9.2
Net-(C16-Pad1): C16.1 R50.2 R97.1
Net-(C25-Pad1): C25.1 R49.2 R96.1
Net-(C28-Pad1): C28.1 R48.2 R94.1
Net-(C74-Pad1): C74.1 R47.2 R93.1
Net-(C76-Pad1): C76.1 R46.2 R92.1
Net-(C77-Pad1): C77.1 R30.2 R91.1
Net-(C80-Pad1): C80.1 R25.2 R95.1
Net-(C81-Pad1): C81.1 R17.2 R90.1
Net-(C93-Pad1): C93.1 R16.2 R89.1
Net-(C94-Pad1): C94.1 SW10.2
Net-(C97-Pad1): C97.1 R15.2 R80.1
Net-(C98-Pad1): C98.1 R9.2 R77.1
Net-(C108-Pad1): C108.1 C120.1 CR1.1 R58.2 TP23.1 U6.1 U6.2
Net-(C135-Pad1): C135.1 R130.1
Net-(C137-Pad1): C137.1 R131.1
Net-(C138-Pad1): C138.1 R132.1 R133.2 R134.1
Net-(C146-Pad1): C146.1 J6.1
Net-(C147-Pad1): C147.1 J6.2
Net-(IC1-INPUT1): Q14.3 R113.2
Net-(IC1-XA/CLKIN1): Y1.3
Net-(IC1-XB): Y1.1
Net-(J9-CD/DAT3): J9.2 R165.2 U44.B4
Net-(J9-CLK): J9.5 U44.D3
Net-(J9-CMD): J9.3 U44.C4
Net-(J9-DAT0): J9.7 U44.D4
Net-(J9-DAT1): J9.8 U44.E4
Net-(J9-DAT2): J9.1 U44.A4
Net-(J9-VDD): C188.1 C189.1 C191.2 J9.4
Net-(J10A-PS_ERROR_OUT_M2C): J10.B24 TP12.1
Net-(J10A-PS_ERROR_STATUS_M2C): J10.B25 TP29.1
Net-(J10B-PWRGD_FPD_M2C): J10.D24 TP31.1
Net-(J10B-PWRGD_LPD_M2C): J10.D25 TP32.1
Net-(J10B-PWRGD_PL_M2C): J10.D26 TP33.1
Net-(J11-Pad13): J11.13 R206.1
Net-(J11-Pad14): J11.14 R207.1
Net-(J11-Pad19): J11.19 R100.2
Net-(J12-Pad14): J12.14 R67.1
Net-(LDO1-ADJ): LDO1.5 R61.1 R82.2
Net-(LDO1-EN): LDO1.1 SW8.4
Net-(LDO3-ADJ): LDO3.5 R55.2 R83.1
Net-(LDO3-EN): LDO3.1 SW9.4
Net-(LDO4-ADJ): LDO4.5 R103.2 R109.1
Net-(LDO4-EN): LDO4.1 SW10.4
Net-(LDO7-ADJ): LDO7.5 R33.1 R104.2
Net-(LDO7-EN): LDO7.1 SW6.4
Net-(LDO8-ADJ): LDO8.5 R36.1 R105.2
Net-(LDO8-EN): LDO8.1 SW5.4
Net-(LDO9-ADJ): LDO9.5 R43.1 R106.2
Net-(LDO9-EN): LDO9.1 SW7.4
Net-(LDO10-ADJ): LDO10.5 R40.1 R107.2
Net-(LDO10-EN): LDO10.1 SW4.4
Net-(MOSFET1-D): C148.2 MOSFET1.3 U29.2
Net-(MOSFET1-G): MOSFET1.1 Q13.3 R137.2
Net-(Q3-G): C190.2 C191.1 R166.2 R167.1
Net-(Q4-D): Q4.1 R167.2
Net-(Q10-D): Q10.1 R161.2 R205.2 U17.42
Net-(Q11-D): Q4.2 Q11.1 R168.2
Net-(Q12-G): C134.1 Q12.1 R111.2 U27.14
Net-(Q12-S): Q12.2 R111.1 U27.7
Net-(Q15-D): Q15.3 R114.2
Net-(R14-Pad2): R14.2 SW9.1
Net-(R22-Pad1): R22.1 R23.1 R24.1 R26.2
Net-(R32-Pad2): R32.2 SW6.1
Net-(R35-Pad2): R35.2 SW5.1
Net-(R38-Pad2): R38.2 SW4.1
Net-(R41-Pad2): R41.2 SW7.1
Net-(R45-Pad2): R45.2 R55.1
Net-(R59-Pad2): R59.2 SW8.1
Net-(R60-Pad2): R60.2 R82.1
Net-(R85-Pad2): R85.2 SW10.1
Net-(R102-Pad2): R102.2 R103.1
Net-(R104-Pad1): R34.2 R104.1
Net-(R105-Pad1): R37.2 R105.1
Net-(R106-Pad1): R42.2 R106.1
Net-(R107-Pad1): R39.2 R107.1
Net-(U1-B1): U1.5 U55.2
Net-(U1-B2): U1.4 U55.4
Net-(U2-REF): C30.1 C90.1 U2.6 U7.7 U7.8
Net-(U2-SDO): TP19.1 U2.10
Net-(U4-REF): C32.1 C89.1 U4.6 U8.7 U8.8
Net-(U4-SDO): TP20.1 U4.10
Net-(U5-TRIM): U5.2
Net-(U6-DV/DT): C121.1 U6.10
Net-(U6-EN): R58.1 U6.9
Net-(U6-ILIMIT): R68.2 U6.4
Net-(U6-MODE): C122.1 R66.2 U6.5
Net-(U9-USBDM): R87.1 U9.7
Net-(U9-USBDP): R31.1 U9.6
Net-(U10-CH1): C107.1 J14.2 R87.2 U10.1
Net-(U10-CH2): C69.1 J14.3 R31.2 U10.2
Net-(U11-FB): C245.1 R208.2 R209.1 U11.4
Net-(U13-FEEDBACK): C103.1 C104.1 U13.7 U13.8 U15.6
Net-(U14-TRIM): U14.2
Net-(U15-SDO): TP15.1 U15.10
Net-(U16-RBIAS): R162.1 U16.24
Net-(U16-VBUS): R163.2 U16.22
Net-(U16-VDD33): U16.20
Net-(U17-ATESET): R8.1 U17.52
Net-(U17-RBIAS): R11.1 U17.56
Net-(U17-SPI_CE_N/CFG_NON_REM): R12.1 U17.41
Net-(U17-SPI_DI/CFG_BC_EN): R13.1 U17.40
Net-(U17-USB3UP_RXDM): U17.51
Net-(U17-USB3UP_RXDP): U17.50
Net-(U17-USB3UP_TXDM): U17.48
Net-(U17-USB3UP_TXDP): U17.47
Net-(U26-G): C130.1 U6.8 U26.4
Net-(U26-S-Pad1): U6.6 U6.7 U26.1 U26.2 U26.3
Net-(U27-BST): R130.2 U27.2
Net-(U27-EN): R110.1 U27.3
Net-(U27-FB): R132.2 U27.4
Net-(U27-SS): C136.1 U27.6
Net-(U27-SW): C135.2 C137.2 L1.1 U27.16
Net-(U28-FB): C144.2 R135.2 R136.1 U28.4
Net-(U30-FB): R139.2 R140.1 U30.10
Net-(U32-FB): R143.2 R144.1 U32.10
Net-(U34-FB): R147.2 R148.1 U34.17
Net-(U35-FB): R151.2 R152.1 U35.17
Net-(U37-FB): R157.2 R158.1 U37.17
Net-(U43-EN): C180.1 U43.7 U43.8
Net-(U44-CLKA): R170.2 U44.D2
Net-(U44-CMDA): R169.2 U44.C1
Net-(U44-DAT0A): R171.2 U44.D1
Net-(U44-DAT1A): R172.2 U44.E1
Net-(U44-DAT2A): R173.2 U44.A1
Net-(U44-DAT3A): R174.2 U44.B1
Net-(U44-VCCB): C187.1 R165.1 U44.B3
Net-(U45-VCC): U45.8
Net-(U50-FB): C169.1 R153.2 R154.1 U50.4
Net-(U51-FB): C196.1 R155.2 R177.1 U51.4
Net-(U52-TRCT0): C225.2 U52.12
Net-(U52-TRCT1): C226.2 U52.6
Net-(U52-TRCT2): C227.2 U52.1
Net-(U52-TRCT3): C228.2 U52.7
Net-(U53-INT_PWDN): R201.2 U53.44
Net-(U53-JTAG_CLK): R182.2 U53.20
Net-(U53-JTAG_TDI): R181.2 U53.23
Net-(U53-JTAG_TMS): R183.2 U53.22
Net-(U53-RBIAS): R184.1 U53.12
Net-(U53-X_I): C223.1 C224.2 U53.15
Net-(U54-B1): U54.5 U55.1 U55.8
Net-(U54-B2): R27.1 U54.4
Net-(U55-DOUT+): C49.1 R22.2 U55.10 U55.12
Net-(U55-DOUT-): C50.1 R23.2 U55.9 U55.11
Net-(U56-EN): R74.2 U56.4
Net-(U56-FAULT): R76.2 U56.3
Net-(U58-*MR): R112.2 SW3.3 SW3.4 U58.4
Net-(U58-CT): C106.1 U58.3
Net-(U59-CT): C61.1 U59.3

Pads without a net: J1 19 20 21 22; J2 01 02 03 04 10 12 17 19 23 27 31 34 36 38 39 40 41 42 43 44 45 47 49 51 53 55 57 58 59 60 61 63 65 66 67 68 71 74 75 76 79 80; J4 01 03 05 07 09 11 25 29 33 35 37 42 44 46 48 50 52 54 56 57 58 60 69 70 71 72; J5 A03 A04 A07 A08 A23 A24 A29 A30 A41 A42 A54 A55 A56 A58 A59 A60 B01 B02 B05 B06 B09 B10 B12 B13 B15 B16 B18 B19 B21 B22 B24 B25 B27 B28 B30 B31 B33 B34 B36 B37 B39 B40 B45 B46 B48 B50 B52 B53 B54 B56 B57 B58 C03 C04 C07 C08 C11 C12 C14 C15 C17 C18 C20 C21 C23 C24 C26 C27 C29 C30 C32 C33 C35 C36 C38 C39 C41 C42 C46 C47 C48 C50 C51 C52 C54 C55 C56 C58 C59 C60 D01 D02 D05 D06 D09 D10 D30 D31 D33 D34 D36 D37 D39 D40 D44 D45 D46 D48 D49 D50 D57 D58; J7 19 20 21 22; J9 11 12 13 14; J10 A31 A32 A34 A35 A51 A52 A55 A56 B18 B20 B21 B22 B28 B32 B34 B38 B57 B58 C23 C45 C51 C52 C55 C56 D28 D32 D46 D49 D50; J11 4 6 7 9 10 12; J12 12; J14 1 4 6 7 8 9; U3 6 7 9 10; U4 12 13; U5 5; U9 5 11 12 14; U10 4 5 6 7 9 10; U11 2 7; U14 5; U16 12 15 16 17 25; U17 53; U27 1 15; U28 2 7; U30 3 4; U32 3 4; U34 7 24 25 26 27; U35 7 24 25 26 27; U37 7 24 25 26 27; U39 3 5; U40 3 5; U41 3 5; U42 3 5; U44 E2; U50 2 7; U51 2 7; U52 18 19 20 21; U53 13 14 18 21 48 V; U55 3 5 6 13; U57 4 9 14; U59 4

## Copper pours and planes (outline as drawn; the poured copper is in the pictures)
1V2_DUT on In4.Cu: 136.51,-1.17 136.51,48.61 198.23,48.61 198.23,-1.17
1V8_DUT on In3.Cu: 137.78,52.67 138.08,52.67 166.78,52.42 166.57,-0.9 138.08,-0.92
1V8_PERI on In5.Cu: 197.98,-0.92 -1.16,-0.92 -1.16,131.41 198.08,131.41 197.99,51.91 197.98,51.91 95.11,51.91 95.11,12.8 116.7,12.8 116.7,34.39 187.31,34.39 187.31,51.91 197.98,51.91
2V5_DUT on In5.Cu: 95.11,12.8 95.11,51.66 95.36,51.91 187.31,51.91 187.31,34.64 187.06,34.39 116.7,34.39 116.7,12.8
2V5_PERI on In3.Cu: 115.68,130.65 197.98,130.65 197.98,52.42 197.98,-0.8 166.57,-0.9 166.78,52.42 115.68,52.67
3V3_DUT on In6.Cu: 95.36,13.81 95.11,48.61 198.88,48.6 198.74,29.9 135.75,29.9 135.75,14
12V_IN on In3.Cu: 84.97,16.86 138.03,16.86 138.08,16.81 138.08,-0.92 84.97,-0.9
12V_IN on In6.Cu: 134.45,-0.92 134.45,14 127.68,14 95.11,13.81 95.11,48.61 198.88,48.6 198.7,76.3 198.74,76.3 198.74,131.16 -0.9,131.16 -0.9,-0.92
GND on In1.Cu: -2.62,132.4 198.27,131.4 197.88,-1.2 -2.23,-1.9
GND on In4.Cu: 136.51,-1.17 -0.9,-1.17 -0.9,130.91 198.23,130.91 198.23,48.61 136.51,48.61
GND on In6.Cu: 41.77,101.7 41.77,89.25 29.32,89.25 29.32,101.7
GND on In8.Cu: -1.73,131.3 198.68,131.9 198.88,-1.4 -2.33,-1
VDD_BUCK_2V7 on In3.Cu: 84.97,-0.9 -0.9,-1.17 -0.9,130.65 115.68,130.65 115.68,52.67 137.78,52.67 138.03,52.42 138.03,16.86 84.97,16.86
VDD_BUCK_2V7 on In6.Cu: 134.45,-0.92 134.45,14 135.75,14 135.75,29.9 183.5,29.8 198.74,29.9 198.74,-0.92
PS_3V3 on In5.Cu: 29.32,101.7 41.77,101.7 41.77,89.25 29.32,89.25

## Text on the board
F.Fab: F.Silkscreen | F.Paste | F.Mask | F.Cu | Dielectric | In1.Cu | In2.Cu | In3.Cu | In4.Cu | In5.Cu | In6.Cu | In7.Cu | In8.Cu | B.Cu | B.Mask | B.Paste | B.Silkscreen | Top Silk Screen | Top Solder Paste | Top Solder Mask | copper | prepreg | core | Bottom Solder Mask | Bottom Solder Paste | Bottom Silk Screen | Not specified | FR4 | 0 mm | 0.01 mm | 0.0175 mm | 0.0925 mm | 0.035 mm | 0.13 mm | 0.196 mm | 1 | 3.3 | 4.5 | 0 | 0.02 | Layer Name | Type | Material | Thickness (mm) | Color | Epsilon R | Loss Tangent
